# Altium PCB Gas_Sampler-PCB.PcbDoc (continued)
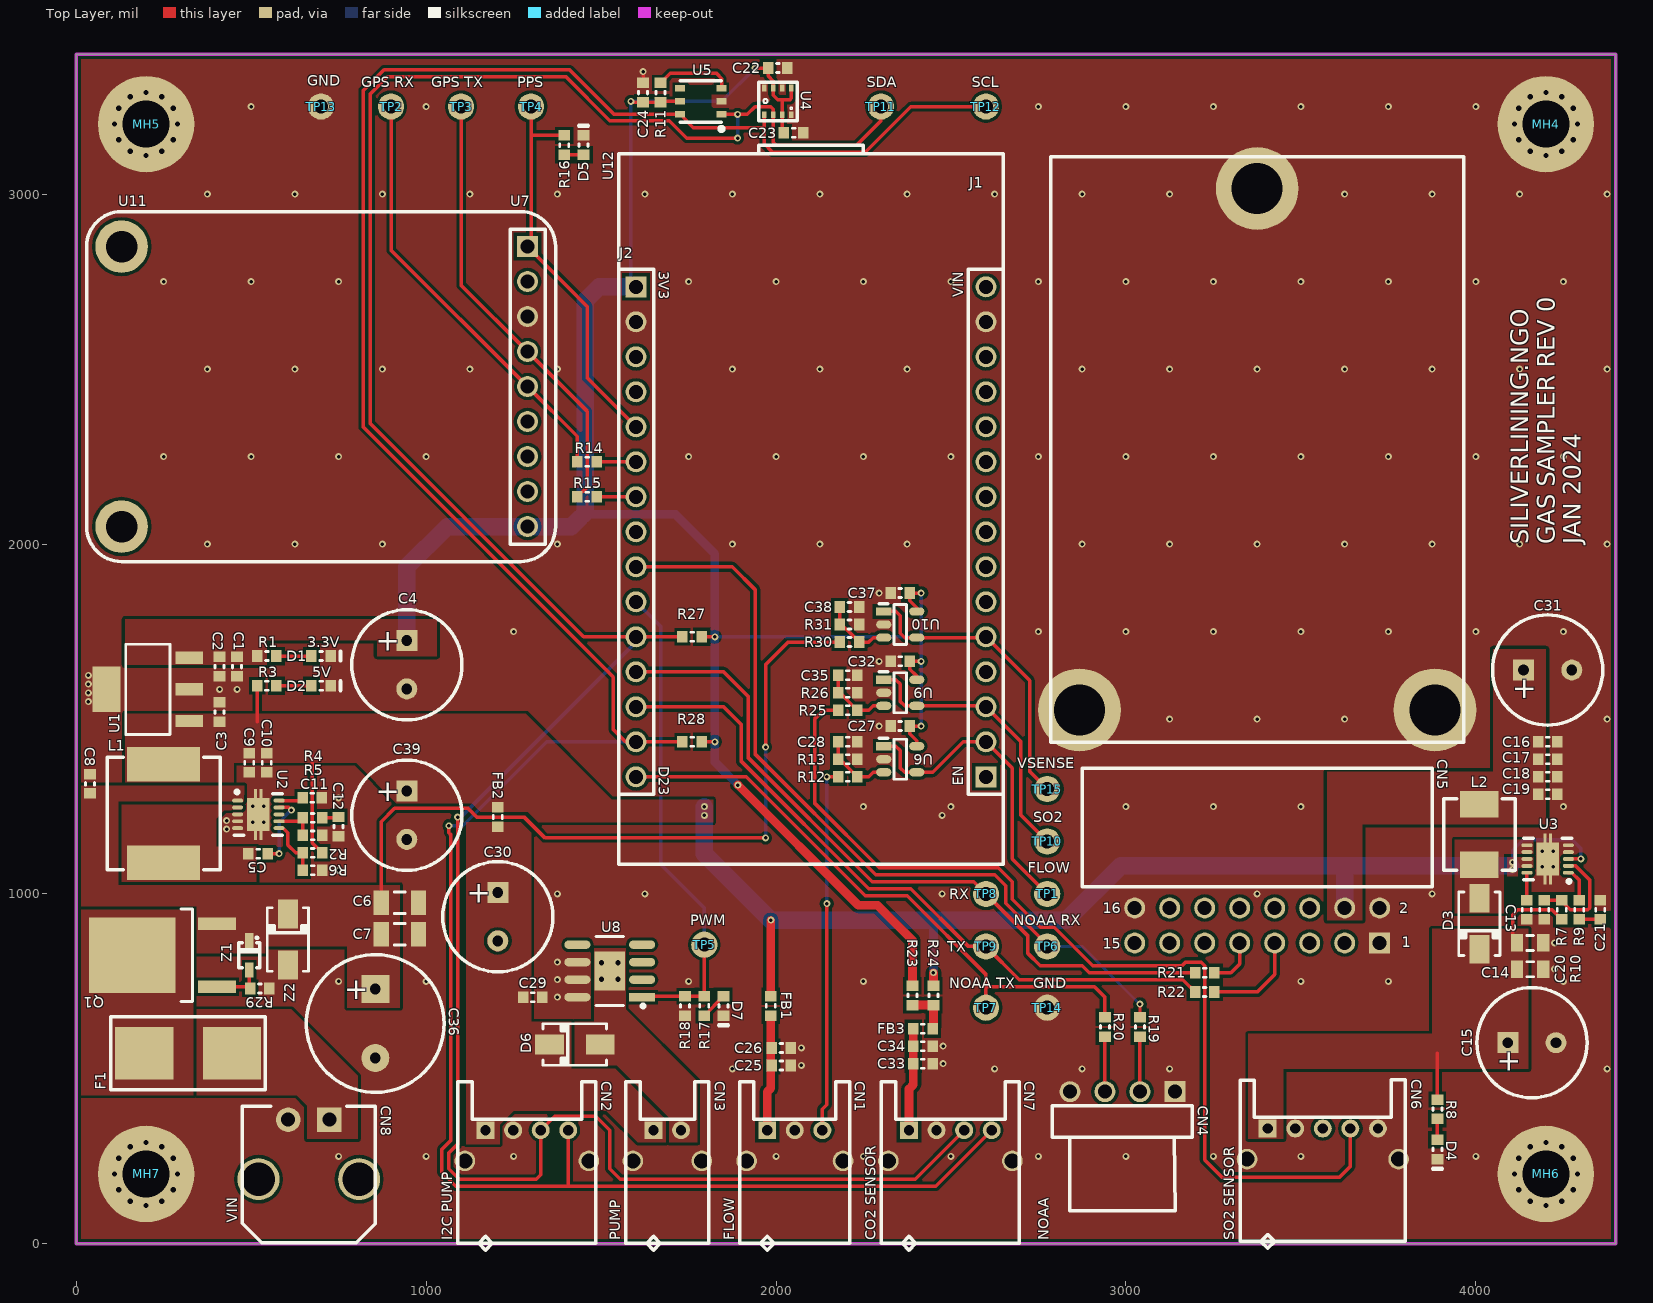
[diagram p0: Top Layer view]
## Footprints (in the part's own frame and the unit in brackets; to place one, negate y for a bottom-side part, rotate by r counter-clockwise, add the part's x,y. Pads: shape width x height; smd on the part's side, far side on the other; paste and mask are expansions set on the pad)
4SOT223 [mm] "SOT223, 4-Leads, Body 6.6x7.1mm (max), Pitch 2.30mm, IPC Medium Density"
  rect 2x0.9 smd: 1(-3,2.3) 2(-3,0) 3(-3,-2.3)
  rect 2x3.3 smd: 4(3,0)
  silkscreen extent -1.6,-3.27 1.6,3.27, body extent -3.83,-3.25 3.83,3.25, height 1.7
5SOT23 [mm] "SOT23, 5-Leads, Body 2.9x2.8mm (max), Pitch 0.95mm, IPC High Density"
  rect 1.1x0.6 smd: 1(-1.2,0.95)
  oval 1.1x0.6 smd: 2(-1.2,0) 3(-1.2,-0.95) 4(1.2,-0.95) 5(1.2,0.95)
  silkscreen extent -1.52,-1.45 0.45,1.52, body extent -1.5,-1.5 1.5,1.5, height 1.46
6DFN3X3_NO_EP [mm]
  rect 0.46x0.71 smd: 1(-0.94,-1.5) 2(0,-1.5) 3(0.94,-1.5) 4(0.94,1.5) 5(0,1.5) 6(-0.94,1.5)
  Top Layer pour cut-out: -1.2,0.8 -1.2,-0.8 1.2,-0.8 1.2,0.8
  silkscreen extent -2.15,-1.65 1.5,1.5, body extent -1.5,-1.52 1.5,1.52, height 0.77
8SOIC150E [mm] "SOIC, 8-Leads, Body 5.0x4.0mm (max), Pitch 1.27mm, IPC High Density"
  rect 1.9x0.6 smd: 1(-2.35,1.905)
  oval 1.9x0.6 smd: 2(-2.35,0.635) 3(-2.35,-0.635) 4(-2.35,-1.905) 5(2.35,-1.905) 6(2.35,-0.635) 7(2.35,0.635) 8(2.35,1.905)
  rect 2.2x2.8 smd paste-0.4: 9(0,0)
  silkscreen extent -2.54,-2.5 1,2.66, body extent -3,-2.45 3,2.45, height 1.63
BOSCH_BME280 [mm]
  rect 0.5x0.35 smd: 1(0.975,0.975) 2(0.975,0.325) 3(0.975,-0.325) 4(0.975,-0.975) 5(-0.975,-0.975) 6(-0.975,-0.325) 7(-0.975,0.325) 8(-0.975,0.975)
  silkscreen extent -1.4,-1.4 1.4,1.4, body extent -1.25,-1.25 1.25,1.25, height 0.94
C0603 [mm] "Chip Capacitor, 2-Leads, Body 1.6x0.8mm, IPC High Density"
  rect 0.76x0.85 smd: 1(-0.699,0) 2(0.699,0)
  silkscreen extent -0.1,-0.33 0.1,0.33, body extent -0.8,-0.4 0.8,0.4, height 0.8
C0805 [mil] "Chip Capacitor, 2-Leads, Body 2.0x1.3mm, IPC High Density"
  rect 35x50 smd: 1(-37.5,0) 2(37.5,0)
  silkscreen extent -10,-22 10,22, body extent -39,-25 39,25, height 49
C1206 [mm] "Chip Capacitor, 2-Leads, Body 3.2x1.6mm, IPC High Density"
  rect 1.1x1.75 smd: 1(-1.35,0) 2(1.35,0)
  silkscreen extent -0.4,-0.77 0.4,0.77, body extent -1.6,-0.8 1.6,0.8, height 1.6
CAP_RADIAL_8MM_DIA_9MM_LEN_3.5MM_LEADSPACE [mil]
  rect 60x60 hole 31: 1(0,68.9)
  round 60 hole 31: 2(0,-68.9)
  silkscreen extent -157,-157 157,157, body extent -157,-157 157,157, height 354
CAP_RADIAL_8MM_DIA_11.5MM_LEN_3.5MM_LEADSPACE [mil]
  rect 60x60 hole 31: 1(0,68.9)
  round 60 hole 31: 2(0,-68.9)
  silkscreen extent -157,-157 157,157, body extent -157,-157 157,157, height 453
CAP_RADIAL_10MM_DIA_12.5MM_LEN_5MM_LEADSPACE [mil]
  rect 80x80 hole 31: 1(0,98.43)
  round 80 hole 31: 2(0,-98.43)
  silkscreen extent -197,-197 197,197, body extent -197,-197 197,197, height 492
DPAK [mm] "D-PAK, 3-Pads, Body 6.2x6.7mm (max), IPC High Density"
  rect 2.75x0.9 smd: 1(-4,2.29) 3(-4,-2.29)
  rect 6.3x5.5 smd paste-10: 2(2.15,0)
  silkscreen extent -2.22,-3.35 -1.4,3.35, body extent -4.57,-3.28 5.13,3.3, height 2.3
ESP32_DEVKITV1_MODULE [mil]
  silkscreen extent -550,-1015 550,1040, body extent -560,-1015 560,1040, height 622
FUSEHOLDER_LITTLEFUSE_0154005.DR [mil]
  rect 167x150 smd paste-314.96: 1(-125.5,0)
  rect 167x150 smd paste-236.22: 2(125.5,0)
  silkscreen extent -220,-104 220,104, body extent -191,-98 191,98, height 147
GPS_PA1616S_BREAKOUT [mil]
  round 39.37 on Top Overlay: 0(-400,-590) 0(400,-590)
  round 150 hole 90: 1(-400,570) 1(400,570)
  silkscreen extent -500,-670 500,670, body extent -500,-670 500,670, height 342
HEADER_1X9_POS_UNSHROUDED [mil]
  rect 60x60 hole 40: 1(-400,0)
  round 60 hole 40: 2(-300,0) 3(-200,0) 4(-100,0) 5(0,0) 6(100,0) 7(200,0) 8(300,0) 9(400,0)
  silkscreen extent -450,-50 450,50, body extent -449,-49 451,51, height 330
INDUCTOR_IHLP2020_2MM_HEIGHT [mm]
  rect 2.79x1.915 smd: 1(0,2.2) 2(0,-2.2)
  silkscreen extent -2.6,-2.6 2.6,2.6, body extent -2.59,-2.74 2.59,2.75, height 2
INDUCTOR_IHLP3232_4MM_HEIGHT [mm]
  rect 5.3x2.5 smd: 1(0,3.575) 2(0,-3.575)
  silkscreen extent -4.1,-4.1 4.08,4.1, body extent -4.09,-4.25 4.09,4.25, height 4
JST_PA_S02B-PASK-2 [mm]
  round 1.5 hole 1.1: 0(-1.5,-2.227) 0(3.5,-2.227)
  rect 1.3x1.3 hole 0.75: 1(0,0)
  round 1.3 hole 0.75: 2(2,0)
  silkscreen extent -2,-8.7 4,3.52, body extent -2,-8.2 4,3.5, height 6.5
JST_PA_S03B-PASK-2 [mm]
  round 1.5 hole 1.1: 0(-1.5,-2.227) 0(5.5,-2.227)
  rect 1.3x1.3 hole 0.75: 1(0,0)
  round 1.3 hole 0.75: 2(2,0) 3(4,0)
  silkscreen extent -2,-8.7 6,3.52, body extent -2,-8.2 6,3.5, height 6.5
JST_PA_S04B-PASK-2 [mm]
  round 1.5 hole 1.1: 0(-1.5,-2.227) 0(7.5,-2.227)
  rect 1.3x1.3 hole 0.75: 1(0,0)
  round 1.3 hole 0.75: 2(2,0) 3(4,0) 4(6,0)
  silkscreen extent -2,-8.7 8,3.52, body extent -2,-8.2 8,3.5, height 6.5
JST_PA_S05B-PASK-2 [mm]
  round 1.5 hole 1.1: 0(-1.5,-2.227) 0(9.5,-2.227)
  rect 1.3x1.3 hole 0.75: 1(0,0)
  round 1.3 hole 0.75: 2(2,0) 3(4,0) 4(6,0) 5(8,0)
  silkscreen extent -2,-8.7 10,3.52, body extent -2,-8.2 10,3.5, height 6.5
LED_0603_GREEN [mm] "Chip Capacitor, 2-Leads, Body 1.6x0.8mm, IPC High Density"
  rect 0.76x0.85 smd: 1(-0.7,0) 2(0.7,0)
  silkscreen extent -0.1,-0.33 1.4,0.33, body extent -0.8,-0.4 0.8,0.4, height 0.8
LED_0603_RED [mm] "Chip Capacitor, 2-Leads, Body 1.6x0.8mm, IPC High Density"
  rect 0.76x0.85 smd: 1(-0.7,0) 2(0.7,0)
  silkscreen extent -0.1,-0.33 1.4,0.33, body extent -0.8,-0.4 0.8,0.4, height 0.8
MICROFIT_3_SINGLE_ROW_RA_TH_CLIP_2POS [mil] "43650-0204"
  round 120 hole 95: 0(-143.7,-170.08) 0(143.7,-170.08)
  rect 70x70 hole 40.16: 1(59.06,0)
  round 70 hole 40.16: 2(-59.06,0)
  silkscreen extent -190,-351 190,38, body extent -190,-351 190,38, height 222
PVSON50P300X300X70-10N [mm]
  oval 0.28x0.8 smd: 1(-1,-1.5) 2(-0.5,-1.5) 3(0,-1.5) 4(0.5,-1.5) 5(1,-1.5) 6(1,1.5) 7(0.5,1.5) 8(0,1.5) 9(-0.5,1.5) 10(-1,1.5)
  rect 0.7x0.22 smd mask+0: 11(-1.5,-0.2) 11(-1.5,0.2) 11(1.5,-0.2) 11(1.5,0.2)
  rect 2.4x1.65 smd paste-0.4: 11(0,0)
  silkscreen extent -1.75,-1.75 1.5,1.75, body extent -1.5,-1.52 1.5,1.52, height 0.92
R0603 [mm] "Chip Resistor, 2-Leads, Body 1.6x0.8mm, IPC High Density"
  rect 0.76x0.85 smd: 1(-0.699,0) 2(0.699,0)
  silkscreen extent -0.1,-0.33 0.1,0.33, body extent -0.8,-0.4 0.8,0.4, height 0.45
RFD900_FLAT [mil]
  round 39.37 on Mech16: 0(-507.87,-774.09) 0(0,716.06) 0(507.87,-774.09)
  rect 60x60 hole 40: 1(350,-1440)
  round 60 hole 40: 2(350,-1340) 3(250,-1440) 4(250,-1340) 5(150,-1440) 6(150,-1340) 7(50,-1440) 8(50,-1340) 9(-50,-1440) 10(-50,-1340) 11(-150,-1440) 12(-150,-1340) 13(-250,-1440) 14(-250,-1340) 15(-350,-1440) 16(-350,-1340)
  silkscreen extent -591,-1280 591,807, body extent -609,-1447 609,2218, height 547
SCREW_M3 [mm]
  round 7 hole 3.4: 1(0,0)
  body extent -3.44,-3.44 3.44,3.44
SMA [mm] "Molded Diode, 2-Leads, Body 4.3x2.6mm, IPC High Density"
  rect 2.1x1.45 smd: 1(-1.85,0) 2(1.85,0)
  silkscreen extent -2.3,-1.5 2.3,1.5, body extent -2.6,-1.3 2.6,1.3, height 2.4
SOCKET_1X15_POS_0.1_INCH [mil]
  rect 60x60 hole 40: 1(-700,0)
  round 60 hole 40: 2(-600,0) 3(-500,0) 4(-400,0) 5(-300,0) 6(-200,0) 7(-100,0) 8(0,0) 9(100,0) 10(200,0) 11(300,0) 12(400,0) 13(500,0) 14(600,0) 15(700,0)
  silkscreen extent -750,-50 750,50, body extent -749,-49 751,51, height 325
SOD323 [mm] "Molded Diode, 2-Leads, Body 1.7x1.3mm, IPC High Density"
  rect 1.06x0.635 smd: 1(1.07,0) 2(-1.07,0)
  silkscreen extent -1.31,-0.75 0.9,0.75, body extent -1.25,-0.65 1.25,0.65, height 1.11
STANDOFF_M2.5_5.1X1.5MM [mm] "9774015151R"
  round 6 hole 3.7: 1(0,0)
  body extent -2.55,-2.55 2.55,2.55, height 1.5
TE_3-641216-4 [mil]
  rect 60x60 hole 40: 1(-150,0)
  round 60 hole 40: 2(-50,0) 3(50,0) 4(150,0)
  silkscreen extent -200,40 200,340, body extent -200,-12 200,423, height 231
TP_KEYSTONE_5001 [mil]
  round 75 hole 40: 1(0,0)
  body extent -50,-50 50,50, height 191

## Part data
C1 C5 C8 C20 C22 C23 C24 C25 C27 C29 C32 C33 C37: "CAP CER 0.1UF 50V 10% X7R 0603"
C2 C3 C16 C17 C18 C26 C34: "CAP CER 10UF 10V X5R 0603"
C4 C30 C31 C39: "CAP ALUM 470UF 6.3V 20% RADIAL"
C6 C7: "CAP CER 22UF 35V X5R 1206"
C9 C10: "CAP CER 22UF 10V 20% X5R 0603"
C11: "CAP CER 47PF 100V C0G/NP0 0603"
C12: "CAP CER 560PF 50V 5% NP0 0603"
C13 C14: "CAP CER 22UF 35V 20% X5R 0805"
C15: "CAP ALUM POLY 100UF 20% 25V T/H"
C19 C28 C35 C38: "CAP CER 1UF 16V 10% X7R 0603"
C21: "CAP CER 820PF 50V C0G 0603"
C36: "CAP ALUM 270UF 20% 25V RADIAL"
CN1: library part JST_PA_RA_TH_GUIDE_3POS, "CONN HEADER PA 3POS SIDE 2MM TIN"
CN2 CN7: library part JST_PA_RA_TH_GUIDE_4POS, "CONN HEADER PA 4POS SIDE 2MM TIN"
CN3: library part JST_PA_RA_TH_GUIDE_2POS, "CONN HEADER PA 2POS SIDE 2MM TIN"
CN4: library part CONN_NOAA_XDATA_RA_3-641216-4, "CONN HEADER VERT 4POS 2.54MM"
CN6: library part JST_PA_RA_TH_GUIDE_5POS, "CONN HEADER PA 5POS SIDE 2MM TIN"
CN8: library part MICROFIT_3_SINGLE_ROW_RA_TH_CLIP_2POS, "CONN HEADER 2POS R/A W/CLIP GOLD"
D1 D2 D4: library part LED_0603_RED_LR_LTST-C190CKT, "LED RED CLEAR 0603 SMD"
D3: "DIODE SCHOTTKY 3A 40V SMA"
D5 D7: library part LED_0603_GREEN_LG_LTST-C190GKT, "LED GREEN CLEAR 0603 SMD"
D6: "DIODE SUPER FAST 100V 1A SMA"
F1: "FUSE Slow 125VAC, 125VDC 4A SMD"
FB1 FB2 FB3: "FERRITE BEAD 600 OHM 0603 1LN"
J1 J2: "CONN_SOCKETS_1X15_POS_0.1_INCH"
L1: "INDUCTOR POWER 15UH 4.9A SMD"
L2: "FIXED IND 3.3UH 4.1A 57.8 MOHM"
MH1 MH2 MH3: "RND STNDFF M2.5X0.45 STEEL 1.5MM"
Q1: "MOSFET P-CH -60V -26A TO-252"
R1 R16 R17: "RES 470 OHM 1/10W 1% 0603 SMD"
R2 R18: "RES 100K OHM 1/10W 1% 0603 SMD"
R3 R8 R12: "RES 1K OHM 1/10W 1% 0603 SMD"
R4: "RES 133K OHM 1% 1/10W 0603"
R5: "RES 23.7K OHM 1% 1/10W 0603"
R6: "RES 19.1K OHM 1% 1/10W 0603"
R7: "RES 187K OHM 1% 1/10W 0603"
R9: "RES 105K OHM 1% 1/10W 0603"
R10: "RES 28K OHM 1/10W 1% 0603 SMD"
R11 R13 R24: "RES DNP 0603 SMD"
R14 R15 R19 R20 R21 R22: "RES 100 OHM 1/10W 1% 0603 SMD"
R23: "RES 0.0 OHM 1/10W JUMP 0603 SMD"
R25: "RES 4.7K OHM 1/10W 1% 0603 SMD"
R26 R31: "RES 10K OHM 1/10W 1% 0603 SMD"
R27 R28: "RES 2.2K OHM 1/10W 1% 0603 SMD"
R29: "RES 1M OHM 1/10W 1% 0603 SMD"
R30: "RES 64.9K OHM 1% 1/10W 0603"
TP1 TP2 TP3 TP4 TP5 TP6 TP7 TP8 TP9 TP10 TP11 TP12 TP13 TP14 TP15: library part TEST_KEYSTONE5001, "PC TEST POINT TH RING"
U1: "IC REG LDO 3.3V 0.4A SOT223"
U2: "IC REG BUCK ADJUSTABLE 3A 10VSON"
U3: "IC REG BOOST ADJ 3.2A 10SON"
U4: "SENSOR PRESSURE HUMIDITY TEMP"
U5: "Humidity Temperature Sensor 0 ~ 100% RH I²C ±2% RH Surface Mount"
U6 U9 U10: "IC OPAMP GP R-R CMOS SOT23-5"
U7 U11: "Adafruit Ultimate GPS Breakout - 66 channel w/10 Hz updates - PA1616S"
U8: "IC PWR SWITCH N-CHAN 1:1 TDSO-8"
U12: "ESP32-DEVKIT V1 MODULE"
Z1: "DIODE ZENER 15V 200MW SOD"
Z2: "TVS DIODE 24VWM SMD"

## Via types
v1: diameter 20, hole 10, Top Layer to Bottom Layer, tented both sides, 178 vias
v2: diameter 28, hole 15, Top Layer to Bottom Layer, tented both sides, 48 vias
v3: diameter 20, hole 10, Top Layer to Bottom Layer, 8 vias
v4: diameter 28, hole 15, Top Layer to Bottom Layer, tented top, 4 vias

## Nets (pads, with @x,y where several pads share a name; then routed paths per layer and width w, separated by ;. In a path a pad name is that pad's centre, name@x,y a point inside that pad or via, vN(x,y) a via of type N, cw(c..) or ccw(c..) an arc to the next point about the centre after c; other vN are vias at no path point)
+3.3: C1.1 C2.1 C4.1 C22.1 C23.1 C24.1 C27.1 C32.1 C37.1 J2.1 R1.2 R11.1 R23.2 R27.2 R28.2 U1.3 U4.2 U4.6 U4.8 U5.5 U6.5 U7.9 U9.5 U10.5 | length 6173.9
  Top Layer w10: v1(1585,3265) 1587.5,3262.5 C24.1 R11.1 1672.5,3265 U5.5 ; R28.2 v1(1825,1435) ; R27.2 v1(1825,1735) ; v1(1940,3360) C22.1 1977.5,3337.5 1992.21,3322.79 U4.6 1992.21,3282.79 2005,3270 2017.8,3270 U4.2 2017.8,3179.7 C23.1 ; 2020,3270 2040,3270 2043.39,3273.39 U4.8 ; U6.5 2402.24,1437.76 2382.5,1457.5 C27.1 v1(2415,1480) ; U9.5@2402.24,1607.4 2402.24,1622.76 2382.5,1642.5 C32.1 v1(2415,1665) ; U10.5@2402.24,1802.4 2402.24,1817.76 2382.5,1837.5 C37.1 v1(2415,1860)
  Top Layer w25: v1(1891.25,1311.25) 2235,967.5 2290,967.5 2390,867.5 R23.2
  Bottom Layer w10: J2.1 1585,2750 v1(1585,3265) 1845,3265 v1(1940,3360) ; v1(1825,1735) 2415,1735 ; v1(2415,1480) v1(2415,1665) 2415,1735 ; v1(2415,1860) 2415,1735
  Bottom Layer w25: 1450,2085 1712.5,2085 1825,1972.5 v1(1825,1735) v1(1825,1435) 1825,1377.5 v1(1891.25,1311.25)
  Bottom Layer w50: C4.1 945,1935 1060,2050 U7.9 1415,2050 1437.5,2072.5 ; 1450,2085 1455,2090 1455,2695 1495,2735 J2.1
+5: C3.1 C9.1 C10.1 C16.1 C17.1 C18.1 C19.1 C31.1 C39.1 CN5.4 FB1.1 FB2.1 L1.2 L2.1 R2.2 R3.2 R24.2 U1.1 U3.3 U3.8 U3.9 | length 3808.3
  Top Layer w10: 517.5,1492.5 R3.2 ; 675,1395 675,1145.81 R2.2 ; U3.3 v1(4300,1100)
  Top Layer w25: FB1.1 v1(1985,925) ; R24.2 v1(2450,775)
  Bottom Layer w10: v1(4105,1090) 4105,1125 4135,1155 4275,1155 4300,1130 v1(4300,1100)
  Bottom Layer w25: v1(2450,775) 2450,925
  Bottom Layer w50: v1(1795,1250) 1795,1115 v1(1985,925) 2450,925 2830,925 2985,1080 4100,1080 ; CN5.4 3625,1070
  other v1: 4105,1070 1795,1225
+VIN: C6.1 C7.1 C8.1 C36.1 Q1.3 R30.2 U2.1 Z1.2 Z2.2 | length 2115.4
  Top Layer w10: C6.1 871.85,1206.85 910,1245 1120,1245 1145,1220 1280,1220 1340,1160 v1(1970,1160) ; v1(1970,1420) 1970,1655 2035,1720 R30.2
  Bottom Layer w10: v1(1970,1160) 1970,1380 v1(1970,1420)
BATT_SENSE: J1.5 TP15.1 U10.1 U10.4 | length 861
  Top Layer w10: U10.1 2342.6,1807.4 2355,1795 2355,1745 2367.4,1732.6 U10.4 2597.6,1732.6 J1.5 2725,1610 2725,1350 TP15.1
FLOW_SENSE: J1.2 TP1.1 U6.1 U6.4 | length 896.2
  Top Layer w10: U6.1 2342.6,1422.4 2355,1410 2355,1360 2367.4,1347.6 U6.4 2447.6,1347.6 2535,1435 J1.2 2675,1360 2675,1100 TP1.1
GND: C1.2 C2.2 C3.2 C4.2 C6.2 C7.2 C8.2 C9.2 C10.2 C11.2 C12.2 C13.2 C14.2 C15.2 C16.2 C17.2 C18.2 C19.2 C20.2 C21.2 C22.2 C23.2 C24.2 C25.2 C26.2 C27.2 C28.2 C29.2 C30.2 C31.2 C32.2 C33.2 C34.2 C35.2 C36.2 C37.2 C38.2 C39.2 CN1.0 CN1.2 CN2.0 CN2.2 CN3.0 CN4.1 CN4.4 CN5.1 CN5.2 CN5.16 CN6.0 CN6.2 CN6.5 CN7.0 CN7.2 CN8.2 D1.2 D2.2 D4.2 D5.2 D7.2 J1.14 J2.2 MH1.1 MH2.1 MH3.1 MH4.1 MH5.1 MH6.1 MH7.1 R4.1 R6.1 R10.1 R13.1 R18.1 R26.1 R29.1 R31.1 TP13.1 TP14.1 U1.2 U1.4 U2.3 U2.4 U2.5 U2.11 U3.4 U3.5 U3.11 U4.1 U4.5 U4.7 U5.2 U6.2 U7.3 U8.6 U8.7 U8.8 U9.2 U10.2 Z2.1 | length 32.5
  Top Layer w10: C24.2 v1(1620,3350)
  other v1: 750,250 1000,250 1250,250 2000,250 2250,250 2500,250 2750,250 3000,250 3250,250 3500,250 4000,250 1875,500 2625,500 2875,500 3125,500 4375,500 2072.5,510 2477.5,515 2072.5,560 2477.5,565 1375,705 750,750 1000,750 1750,750 2250,750 3500,750 3750,750 4250,750 1375,755 4225,785 1375,805 4225,860 1375,1000 1625,1000 2475,1000 3375,1000 3875,1000 750,1067.5 430,1185 430,1210 2475,1225 2250,1250 2500,1250 3000,1250 3250,1250 3500,1250 4250,1250 750,1275 2295,1480 3125,1500 3375,1500 3625,1500 4375,1500 35,1550 35,1575 410,1585 460,1585 35,1600 35,1625 2295,1665 1250,1750 2750,1750 3000,1750 3250,1750 3500,1750 3750,1750 4000,1750 4250,1750 2295,1860 375,2000 625,2000 875,2000 1375,2000 1875,2000 2125,2000 2375,2000 2875,2000 3125,2000 3375,2000 3625,2000 3875,2000 4125,2000 4375,2000 250,2250 500,2250 750,2250 1000,2250 1750,2250 2000,2250 2250,2250 2500,2250 2750,2250 3000,2250 3250,2250 3500,2250 3750,2250 4000,2250 4250,2250 375,2500 625,2500 875,2500 1125,2500 1375,2500 1875,2500 2125,2500 2375,2500 2875,2500 3125,2500 3375,2500 3625,2500 3875,2500 4125,2500 4375,2500 250,2750 500,2750 750,2750 1750,2750 2000,2750 2250,2750 2500,2750 2750,2750 3000,2750 3250,2750 3500,2750 3750,2750 4000,2750 4250,2750 375,3000 625,3000 875,3000 1125,3000 1375,3000 1625,3000 1875,3000 2125,3000 2375,3000 2625,3000 2875,3000 3125,3000 3625,3000 3875,3000 4125,3000 4375,3000 500,3250 1000,3250 2750,3250 3000,3250 3250,3250 3500,3250 3750,3250 4000,3250
  other v2: 200,110 4200,110 155,122.06 245,122.06 4155,122.06 4245,122.06 122.06,155 277.94,155 4122.06,155 4277.94,155 110,200 290,200 4110,200 4290,200 122.06,245 277.94,245 4122.06,245 4277.94,245 155,277.94 245,277.94 4155,277.94 4245,277.94 200,290 4200,290 200,3110 4200,3110 155,3122.06 245,3122.06 4155,3122.06 4245,3122.06 122.06,3155 277.94,3155 4122.06,3155 4277.94,3155 110,3200 290,3200 4110,3200 4290,3200 122.06,3245 277.94,3245 4122.06,3245 4277.94,3245 155,3277.94 245,3277.94 4155,3277.94 4245,3277.94 200,3290 4200,3290
  other v3: 4189.25,1077.44 4220.75,1077.44 4189.25,1122.56 4220.75,1122.56 505,1205 536.5,1205 505,1250.12 536.5,1250.12
GPS_PPS: J2.5 R16.2 TP4.1 U7.1 | length 1143.6
  Top Layer w10: TP4.1 1300,3170 ; R16.2 1302.5,3167.5 1300,3170 ; J2.5 1460,2475 1460,2680 U7.1 1300,2860 1300,3170
GPS_RX: J2.6 R14.1 | length 112.5
  Top Layer w10: R14.1 J2.6
GPS_TX: J2.7 R15.1 | length 112.5
  Top Layer w10: R15.1 J2.7
MOTOR_PWM: J2.10 R17.2 R18.2 TP5.1 U8.1 | length 1386.8
  Top Layer w10: U8.1 1620.02,707.5 R18.2 R17.2 TP5.1
  Bottom Layer w10: J2.10 1670,1765 1670,1085 1795,960 TP5.1
NetC5_1: C5.1 U2.9 | length 210.2
  Top Layer w10: C5.1 v1(580,1115) ; U2.9 607.76,1247.24 v1(615,1240)
  Bottom Layer w10: v1(580,1115) 580,1205 v1(615,1240)
NetC5_2: C5.2 L1.1 U2.2
NetC11_1: C11.1 R5.2 U2.7 | length 117.5
  Top Layer w10: U2.7 R5.2@633.56,1207.87 ; R5.2@638.56,1207.87 R5.2 C11.1
NetC12_1: C12.1 R5.1 | length 47.8
  Top Layer w10: R5.1 747.56,1217.56 C12.1
NetC13_1: C13.1 C14.1 C15.1 CN6.1 D3.2 R7.2 R8.2 | length 375.3
  Top Layer w10: R8.2 3890,545 ; C13.1 4105,872.5 4105,940 4120,955 4217.5,955 R7.2
NetC20_1: C20.1 U3.10 | length 73.5
  Top Layer w10: C20.1 4145,1054.68 U3.10@4145.94,1055.63
NetC21_1: C21.1 R9.1 | length 60
  Top Layer w10: R9.1 C21.1
NetC25_1: C25.1 C26.1 CN1.1 FB1.2 | length 331.6
  Top Layer w25: CN1.1 1975,435 1985,445 FB1.2
NetC28_1: C28.1 R12.1 R13.2 U6.3 | length 203.3
  Top Layer w10: C28.1 2177.5,1390 R12.1 2265,1335 2277.6,1347.6 U6.3
NetC29_1: C29.1 C30.1 CN2.1 CN3.1 D6.2 FB2.2
NetC33_1: C33.1 C34.1 CN7.1 FB3.2 | length 295.2
  Top Layer w25: CN7.1 2380,442.5 2392.5,455 C33.1 C34.1 FB3.2
NetC35_1: C35.1 R25.1 R26.2 U9.3 | length 203.3
  Top Layer w10: C35.1 2177.5,1580 R25.1 2265,1525 2277.6,1537.6 U9.3
NetC38_1: C38.1 R30.1 R31.2 U10.3 | length 198.3
  Top Layer w10: C38.1 2182.5,1775 R30.1 2265,1720 2277.6,1732.6 U10.3
NetCN1_3: CN1.3 R12.2 | length 1047.7
  Top Layer w10: CN1.3 2132.48,384.98 2145,397.5 v1(2145,972.5) ; v1(2145,1335) R12.2
  Bottom Layer w10: v1(2145,972.5) v1(2145,1335)
NetCN3_2: CN3.2 D6.1 U8.9
  other v4: 1501.38,756.38 1548.62,756.38 1501.38,803.62 1548.62,803.62
NetCN4_2: CN4.2 R19.2 | length 157.5
  Top Layer w10: CN4.2 R19.2
NetCN4_3: CN4.3 R20.2 | length 157.5
  Top Layer w10: CN4.3 R20.2
NetCN5_7: CN5.7 R22.2 | length 283.2
  Top Layer w10: R22.2 3375,720 3425,770 CN5.7
NetCN5_9: CN5.9 R21.2 | length 142.9
  Top Layer w10: R21.2 3300,775 3325,800 CN5.9
NetCN6_4: CN6.4 R25.2 | length 2776.7
  Top Layer w10: R25.2 2135,1525 2110,1500 2110,1260 2295,1075 2635,1075 2675,1035 2675,985 2755,905 2795,905 2905,795 3160,795 3170,805 3215,805 3225,795 3225,240 3275,190 3610,190 3641.22,221.22 CN6.4
NetCN8_1: CN8.1 F1.1
NetD1_1: D1.1 R1.1 | length 99.9
  Top Layer w10: R1.1 D1.1
NetD2_1: D2.1 R3.1 | length 99.9
  Top Layer w10: R3.1 D2.1
NetD3_1: D3.1 L2.2 U3.6 U3.7
NetD4_1: D4.1 R8.1 | length 59.9
  Top Layer w10: D4.1 R8.1
NetD5_1: D5.1 R16.1 | length 55
  Top Layer w10: R16.1 1449.94,3112.5 D5.1
NetD7_1: D7.1 R17.1 | length 77.8
  Top Layer w10: R17.1 1850,707.5 D7.1
NetF1_2: F1.2 Q1.2
NetFB3_1: FB3.1 R23.1 R24.1 | length 128.5
  Top Layer w25: R23.1 R24.1 2450,617.5 FB3.1
NetQ1_1: Q1.1 R29.2 Z1.1 | length 147.4
  Top Layer w10: Q1.1 492.66,734.84 R29.2@495,732.5 ; Z1.1 R29.2@495,732.5 ; R29.2 R29.2@495,732.5
NetR2_1: R2.1 R6.2 U2.6 | length 168.2
  Top Layer w10: U2.6 591.81,1188.19 605,1175 605,1140 627.44,1117.56 R2.1 R6.2
NetR4_2: R4.2 U2.10 | length 66
  Top Layer w10: U2.10 R4.2@634.43,1266.93 ; R4.2@639.43,1266.93 R4.2
NetR7_1: R7.1 R10.2 U3.2 | length 301.8
  Top Layer w10: R10.2 R7.1 ; R7.1@4243.75,981.25 4270,955 4320,955 4325,960 4325,1040 4284.69,1080.32 U3.2
NetR9_2: R9.2 U3.1 | length 97
  Top Layer w10: U3.1 4274.37,1060.63 4295,1040 R9.2
NetR11_2: R11.2 U5.3 | length 221
  Top Layer w10: R11.2 1697.5,3345 1830,3345 1845,3330 1845,3302.95 U5.3
NetR14_2: R14.2 TP2.1 U7.5 | length 1235.6
  Top Layer w10: TP2.1 900,2840 U7.5 1432.5,2307.5 R14.2
NetR15_2: R15.2 TP3.1 U7.4 | length 1275.5
  Top Layer w10: TP3.1 1100,2740 U7.4 1460,2380 1460,2162.5 R15.2
NOAA_RX: J2.9 R19.1 TP6.1 | length 2304.3
  Top Layer w8: R19.1 v1(3040,685)
  Top Layer w10: J2.9 1875,1935 1940,1870 1940,1400 2285,1055 2625,1055 2656.25,1023.75 2656.25,973.75 2775,855 TP6.1
  Bottom Layer w8: TP6.1 2875,850 3037.5,687.5 v1@3037.5,682.5
NOAA_TX: J2.15 R20.1 TP7.1 | length 1797.5
  Top Layer w10: J2.15 1915,1335 2255,995 2375,995 2600,770 TP7.1 2600,735 2910,735 2940,705 2940,652.5 R20.1@2942.5,650
RFD_RX: J2.12 R21.1 TP8.1 | length 2085.5
  Top Layer w10: J2.12 1850,1635 1920,1565 1920,1390 2275,1035 2565,1035 TP8.1 2720,880 2720,830 2755,795 2875,795 2895,775 R21.1
RFD_TX: J2.13 R22.1 TP9.1 | length 1996.6
  Top Layer w10: J2.13 1850,1535 1900,1485 1900,1380 2265,1015 2385,1015 2550,850 TP9.1 2695,755 3162.5,755 R22.1
SCL: CN2.4 CN7.4 J2.14 R28.1 TP12.1 U4.4 U5.6 | length 7804
  Top Layer w10: v1(1065,1195) 1065,1175 1070,1170 1070,295 1045,270 1045,205 1085,165 1406.22,165 ; CN2.4 1406.22,165 ; R28.1 J2.14 1570,1435 1535,1470 1535,1620 820,2335 820,3295 880,3355 1410,3355 1537.01,3227.99 U5.6 1763.94,3190 1966.61,3190 ; U4.4 1966.61,3190 ; TP12.1 2385,3250 2255,3120 1990,3120 1966.61,3143.39 1966.61,3190 ; CN7.4 2456.22,165 1406.22,165
  Bottom Layer w10: v1(1065,1195) 1105,1195 1345,1435 J2.14
SDA: CN2.3 CN7.3 J2.11 R27.1 TP11.1 U4.3 U5.1 | length 7510.2
  Top Layer w10: v1(1090,1220) 1090,285 1065,260 1065,215 1095,185 1315,185 1327.48,197.48 CN2.3 1367.48,365 1485,365 1525,325 1525,215 1555,185 2397.48,185 CN7.3 ; R27.1 J2.11 1450,1735 840,2345 840,3285 890,3335 1400,3335 1525,3210 1695,3210 1745,3160 v1(1890,3160) ; U5.1 v1(1890,3227.99) 1917.99,3227.99 1940,3250 1985,3250 1992.2,3242.8 U4.3 1992.2,3147.8 2000,3140 2230,3140 2300,3210 TP11.1
  Bottom Layer w10: v1(1090,1220) 1100,1220 1600,1720 J2.11 ; v1(1890,3160) v1(1890,3227.99)
SO2_SENSE: J1.3 TP10.1 U9.1 U9.4 | length 811.2
  Top Layer w10: U9.1 2342.6,1612.4 2355,1600 2355,1550 2367.5,1537.5 2367.6,1537.6 U9.4 2597.4,1537.6 J1.3 2700,1435 2700,1225 TP10.1
pads on no net: CN5.0 CN5.3 CN5.5 CN5.6 CN5.8 CN5.10 CN5.11 CN5.12 CN5.13 CN5.14 CN5.15 CN6.3 CN8.0 J1.1 J1.4 J1.6 J1.7 J1.8 J1.9 J1.10 J1.11 J1.12 J1.13 J1.15 J2.3 J2.4 J2.8 U2.8 U5.4 U7.2 U7.6 U7.7 U7.8 U8.2 U8.3 U8.4 U8.5 U11.0 U11.1

## Polygon pours and split planes (outlines as drawn)
+5 on Top Layer "Top Layer-No Net 1" (solid, remove dead copper, pour order 18): 4165,1105 4090,1105 4090,1050 4120,1050 4120,1075 4165,1075
NetD3_1 on Top Layer "Top Layer-No Net 1" (solid, remove dead copper, pour order 16): 4165,1115 4165,1155 3940,1155 3940,945 4080,945 4080,1115
NetC13_1 on Top Layer "Top Layer-No Net 1" (solid, remove dead copper, pour order 24): 4150,900 4150,500 3450,500 3450,300 3350,300 3350,600 3875,600 3875,900
+5 on Top Layer "Top Layer-No Net 1" (solid, remove dead copper, pour order 25): 3575,925 3675,925 3675,1200 4200,1200 4200,1700 4050,1700 4050,1350 3575,1350
NetCN3_2 on Top Layer "Top Layer-No Net 1" (solid, remove dead copper, pour order 26): 1480,845 1480,635 1425,635 1425,510 1545,510 1695,360 1695,290 1775,290 1775,465 1570,670 1570,845
+3.3 on Top Layer "Top Layer-No Net 1" (solid, remove dead copper, pour order 21): 140,1785 1030,1785 1030,1680 860,1680 860,1725 545,1725 545,1655 140,1655
NetC29_1 on Top Layer "Top Layer-No Net 1" (solid, remove dead copper, pour order 23): 1685,290 1685,355 1540,500 1415,500 1415,635 1300,635 1300,1175 1270,1205 1115,1205 1115,285 1210,285 1210,340 1250,380 1515,380 1605,290
+5 on Top Layer "Top Layer-No Net 1" (solid, remove dead copper, pour order 20): 140,1515 140,1320 450,1320 450,1375 800,1375 915,1260 1130,1260 1155,1235 1290,1235 1320,1205 1820,1205 1820,1270 1530,1270 1285,1515
+VIN on Top Layer "Top Layer-No Net 1" (solid, remove dead copper, pour order 15): 345,830 345,965 5,965 5,1310 480,1310 480,1265 120,1265 120,1025 925,1025 925,675 775,675 775,850 540,850 540,830
GND on Top Layer "Top Layer-No Net 1" (solid, remove dead copper, pour order 28): 0,0 4400,0 4400,3400 0,3400
NetF1_2 on Top Layer "Top Layer-No Net 1" (solid, remove dead copper, pour order 17): 0,955 0,425 335,425 335,955
NetCN8_1 on Top Layer "Top Layer-No Net 1" (solid, remove dead copper, pour order 22): 345,670 345,425 630,425 660,395 660,300 805,300 805,480 615,670
NetC5_2 on Top Layer "Top Layer-No Net 1" (solid, remove dead copper, pour order 19): 130,1035 515,1035 515,1135 400,1135 400,1215 425,1240 475,1240 475,1255 130,1255
GND on Bottom Layer "Top Layer-No Net 1" (solid, remove dead copper, pour order 27): 0,0 4400,0 4400,3400 0,3400

## Keep-outs
Keep-Out Layer:
  the board outline again, w10

## Silkscreen, mask and mechanical layers (free items; w line width, h text height)
Top Overlay:
  text "SILIVERLINING.NGO" at 4150,2000 h50 r90
  text "GAS SAMPLER REV 0" at 4225,2000 h50 r90
  text "JAN 2024" at 4300,2000 h50 r90
Board Outline:
  the board outline again, w10

## Text inside footprints (layer, text, board x,y; h text height)
C4: Assy Top "+" at 925.32,1741.61 h60; Assy Top "-" at 925.32,1505.39 h60; Top Overlay "+" at 856.42,1694.37 h60
C15: Assy Top "+" at 4073.39,555.32 h60 r90; Assy Top "-" at 4309.61,555.32 h60 r90; Top Overlay "+" at 4120.63,486.42 h60 r90
C30: Assy Top "+" at 1185.32,1021.61 h60; Assy Top "-" at 1185.32,785.39 h60; Top Overlay "+" at 1116.42,974.37 h60
C31: Assy Top "+" at 4118.39,1620.32 h60 r90; Assy Top "-" at 4354.61,1620.32 h60 r90; Top Overlay "+" at 4165.63,1551.42 h60 r90
C36: Assy Top "-" at 835.32,444.96 h60; Assy Top "+" at 835.32,752.05 h60; Top Overlay "+" at 766.42,698.9 h60
C39: Assy Top "+" at 925.32,1311.61 h60; Assy Top "-" at 925.32,1075.39 h60; Top Overlay "+" at 856.42,1264.37 h60
CN5: Top Overlay "1" at 3788.39,847.24 h30; Top Overlay "2" at 3780.51,945.67 h30; Top Overlay "15" at 2934.06,843.31 h30; Top Overlay "16" at 2934.06,945.67 h30
U12: Top Overlay "EN" at 2535,1310 h30 r90; Top Overlay "D23" at 1665,1365 h30 r270; Top Overlay "VIN" at 2535,2705 h30 r90; Top Overlay "3V3" at 1665,2780 h30 r270